# Altium PCB Main_Board.PcbDoc (part 3 of 19) (continued)
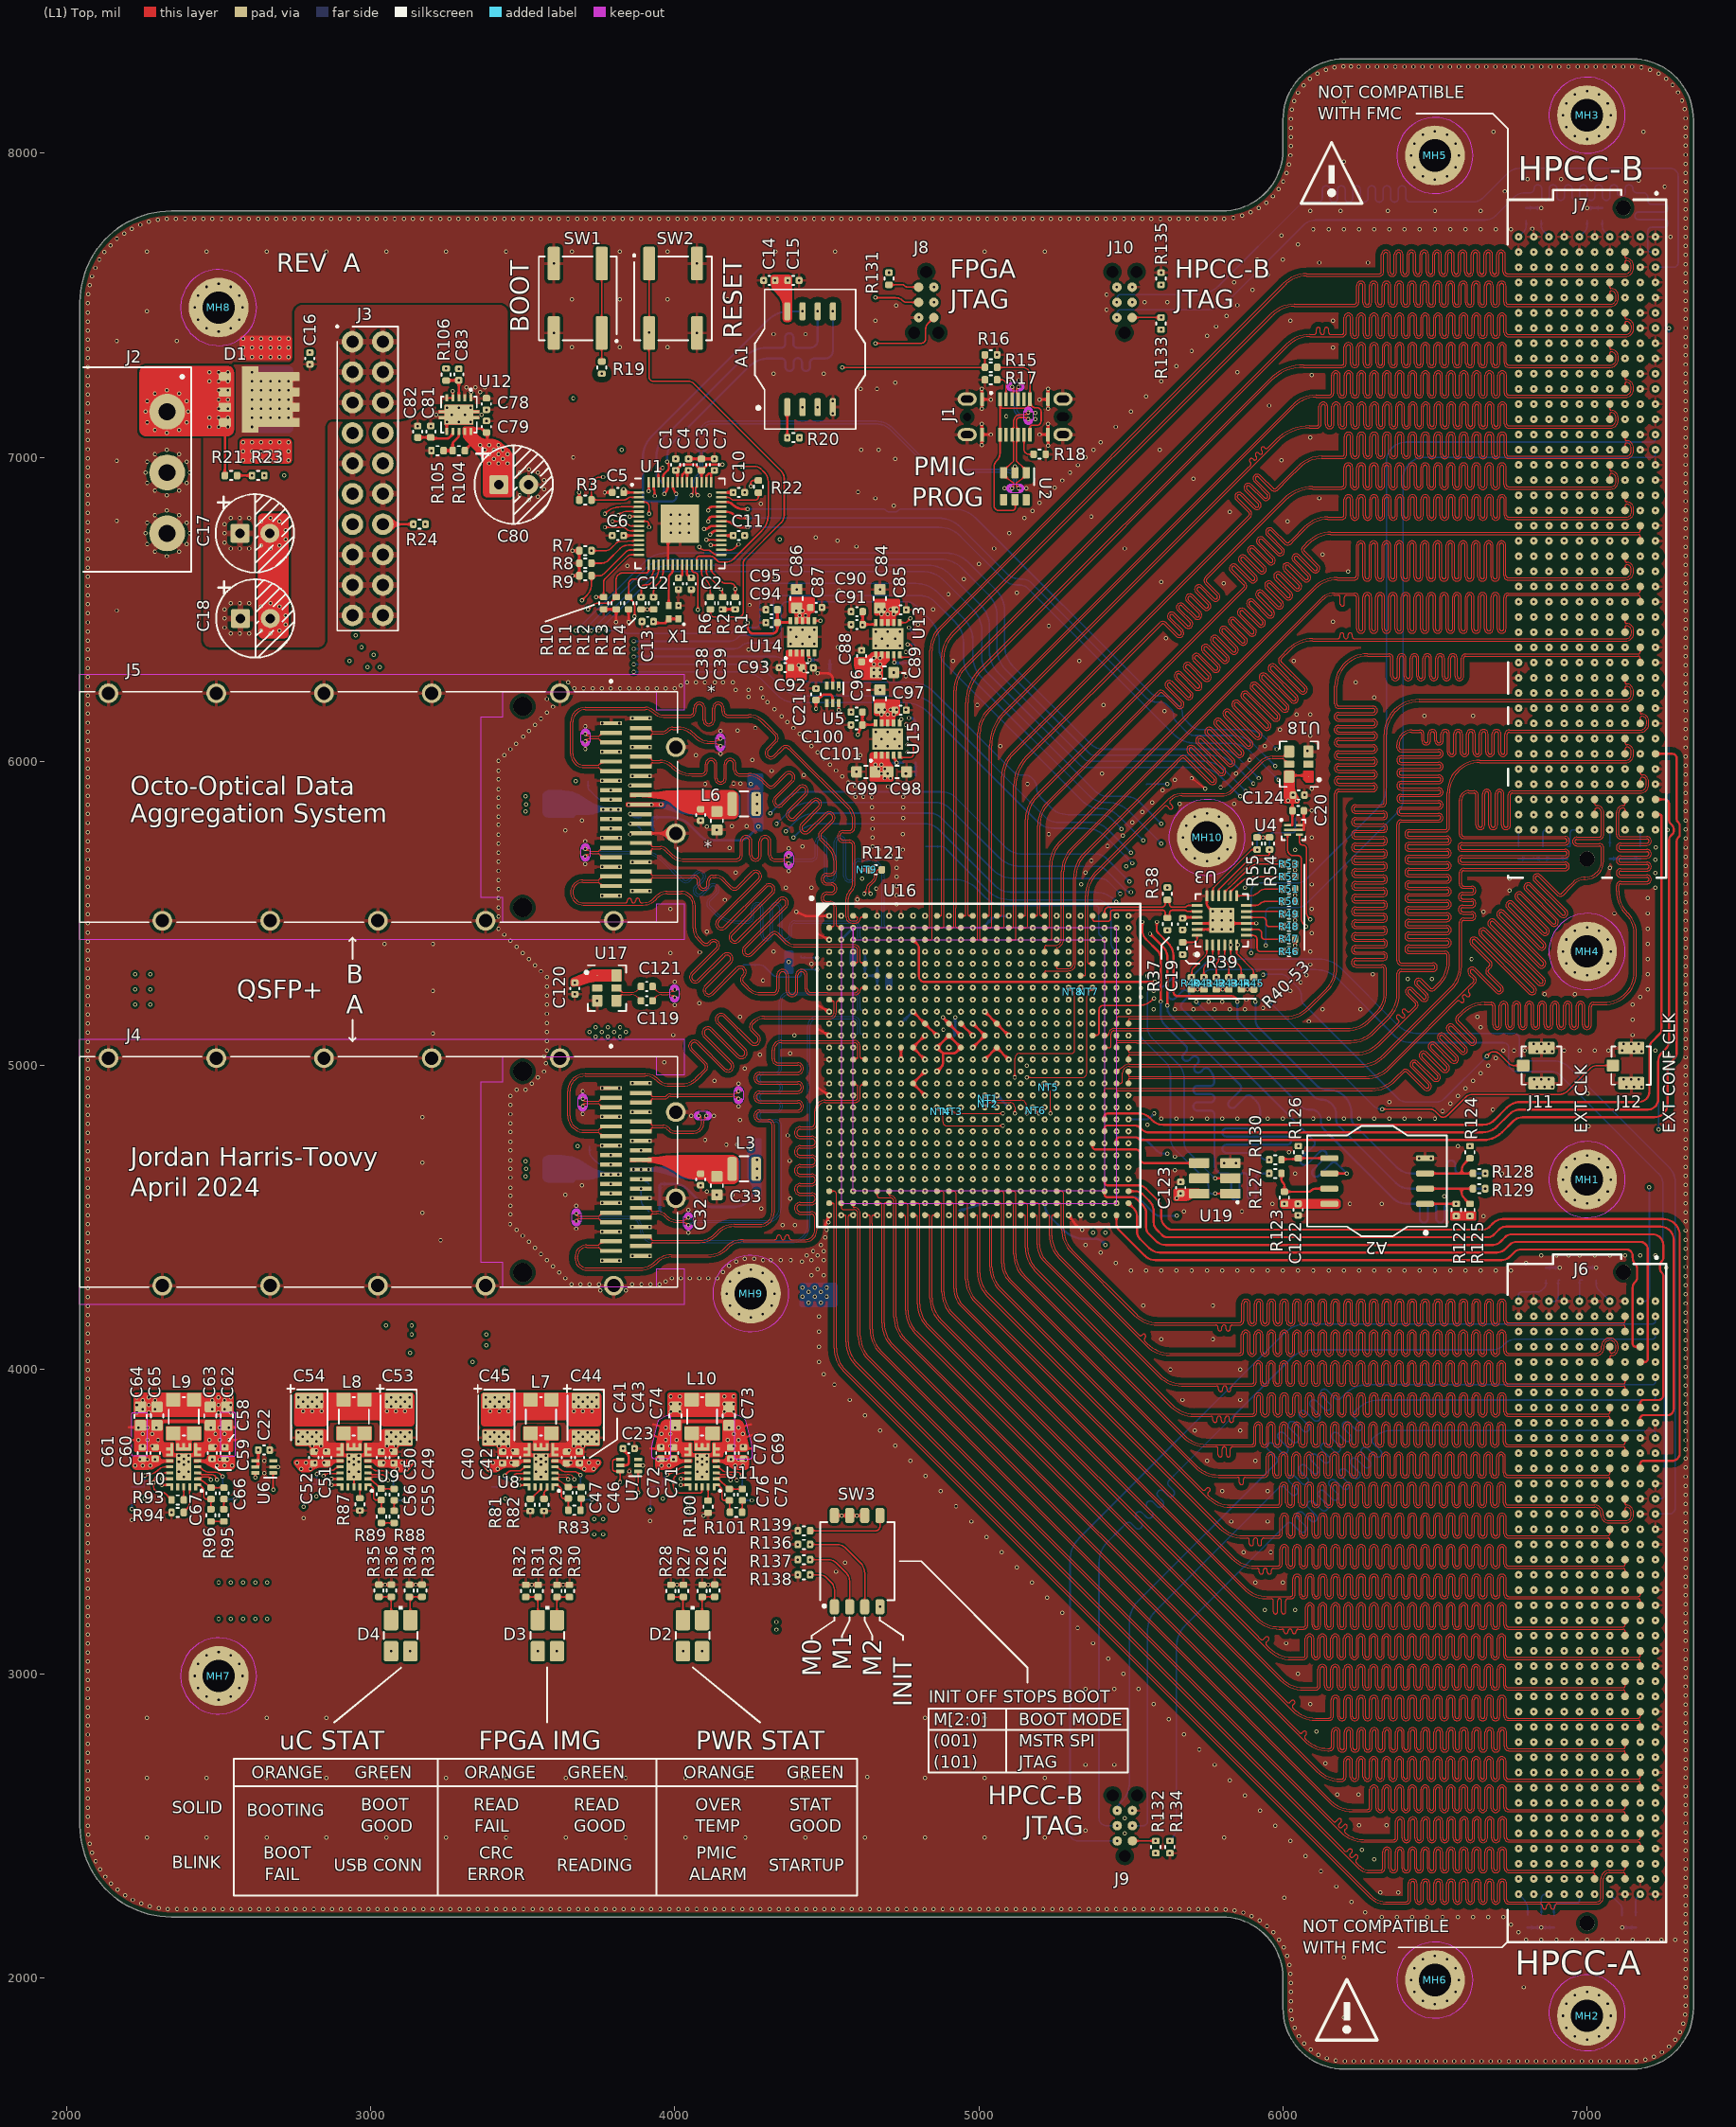
[diagram p0: (L1) Top view]
## Nets (pads, with @x,y where several pads share a name; then routed paths per layer and width w, separated by ;. In a path a pad name is that pad's centre, name@x,y a point inside that pad or via, vN(x,y) a via of type N, cw(c..) or ccw(c..) an arc to the next point about the centre after c; other vN are vias at no path point) (continued)
  (L3) Inner 2 w8: v1@3685,6885 cw(c3685,6884.08) v1(3685.92,6884.08)
  (L5) Inner 4 w8: 5870,6945 6095.71,7170.71 cw(c6166.42,7100) 6166.42,7200 7200,7200 ccw(c7200,7225) v1(7225,7225) ; 6505,3730 6520,3715 ccw(c6556.21,3751.21) 6556.21,3700 7200,3700 ccw(c7200,3725) v1(7225,3725)
  (L12) Bottom w8: v1(4770.08,6440) R107.2@4790,6420.08 ; v1@4770.59,6142.92 v1(4770.4,6142.72) 4777.41,6142.72 cw(c4777.41,6130.14) 4790,6130.14 R113.2@4790,6095.08
  other v1: 2500,3180 2540,3180 2580,3180 2620,3180 2660,3180 2500,3300 2540,3300 2580,3300 2620,3300 2660,3300 3735,3458 3765,3458 3735,3508 3765,3508 2256.62,3574.94 3442.4,3574.94 3960.28,3574.78 2821.49,3582.81 4152.88,6500.03 3180,6780 3390,6980 3420,6980 3450,6980 3405,6995 3435,6995 3390,7010 3420,7010 3450,7010 3405,7024 3434,7024 3375,7025 3360,7040 3390,7040 3420,7040 4410.08,7064.66 3665.87,7193.75 3247.92,7292.3 4330,7581.52 4371.1,7581.52
3V3AUX_PG: C83.2 R106.1 U1.3 U12.3 | length 1115.8
  (L1) Top w5: U1.3@3881.67,6852.87 3902.13,6852.87 cw(c3902.13,6840) 3915,6840 v1(3915,6815)
  (L1) Top w8: R106.1@3247.92,7252.14 3255.2,7253.13 3282.95,7253.13 v1(3289.64,7253.32) ; U12.3@3290,7195.12 C83.2@3290,7253
  (L3) Inner 2 w5: v1(3289.64,7253.32) 3726.68,7253.32 cw(c3726.68,7235) 3745,7235 3745,7056.42 ccw(c3845,7056.42) 3774.29,6985.71 3905,6855 cw(c3880.86,6830.86) 3915,6830.86 v1(3915,6815)
5V0: C16.2 C17.1 C18.1 C40.2 C41.2 C42.2 C43.2 C49.2 C50.2 C51.2 C52.2 C58.2 C59.2 C60.2 C61.2 C69.2 C70.2 C71.2 C72.2 C78.2 D1.5 D1.6 D1.7 D1.8 J3.1 J3.2 J3.3 J3.4 J3.5 J3.6 R93.2 TJ1.2 TJ2.2 U8.5 U8.9 U8.11 U9.5 U9.9 U9.11 U10.5 U10.9 U10.11 U11.5 U11.9 U11.11 U11.15 U12.1 U12.2 U12.4 U12.5 | length 519.5
  (L1) Top w4: 2307.96,3597.89 2303.22,3597.89 cw(c2303.22,3614.89) 2286.22,3614.89 v1(2286.22,3628.89) cw(c2313.58,3628.89) 2294.23,3648.24 cw(c2323.39,3619.09) 2323.32,3660.32 2328.93,3660.32 U10.11@2338.74,3660.32 ; 2307.99,3597.89 cw(c2307.99,3572.47) 2326.02,3590.39 R93.2@2345.14,3571.27 ; v1(2845.42,3650.82) cw(c2862.49,3633.75) 2862.49,3657.89 2888.93,3657.89 U9.11@2898.74,3660.32 ; U12.5@3250.63,7195.12 3250.75,7195 3270,7195 v1(3270,7217) ; v1(3464.29,3643.18) ccw(c3462.59,3644.89) 3465,3644.89 3475.88,3655.77 cw(c3481,3650.65) 3481,3657.89 3503.93,3657.89 U8.11@3513.74,3660.32 ; v1@3995.51,3630.89 3995.51,3635.4 cw(c4016,3635.4) 4001.51,3649.89 cw(c4026.68,3624.72) 4026.68,3660.32 U11.11@4043.74,3660.32 ; v1(3995.9,3630.48) 3995.51,3616 ccw(c3999.51,3615.89) 3995.51,3615.89 ccw(c4017.51,3615.89) 4017.51,3593.89 4082.51,3593.89 ccw(c4082.51,3600.89) 4089.51,3600.89 U11.15@4089.51,3614.89
  other v1: 2772,3673.89 2802,3673.89 3088,3673.89 3118,3673.89 3387,3673.89 3417,3673.89 3703,3673.89 3733,3673.89 2225.78,3683.89 2250.78,3683.89 2275.78,3683.89 2494.22,3683.89 2519.22,3683.89 2544.22,3683.89 3955.78,3683.89 3980.78,3683.89 4199.22,3683.89 4224.22,3683.89 2757,3693.89 2787,3693.89 2817,3693.89 2847,3693.89 3043,3693.89 3073,3693.89 3103,3693.89 3133,3693.89 3372,3693.89 3402,3693.89 3432,3693.89 3462,3693.89 3658,3693.89 3688,3693.89 3718,3693.89 3748,3693.89 2240.78,3703.89 2265.78,3703.89 2290.78,3703.89 2479.22,3703.89 2504.22,3703.89 2529.22,3703.89 3945.78,3703.89 3970.78,3703.89 3995.78,3703.89 4184.22,3703.89 4209.22,3703.89 4233.68,3703.87 2225,5200 2275,5200 2225,5250 2275,5250 2225,5300 2275,5300 2540,6420 2570,6420 2600,6420 2520,6440 2520,6470 2520,6500 2540,6520 2570,6520 2600,6520 2540,6700 2570,6700 2600,6700 2520,6720 2520,6750 2520,6780 2540,6800 2570,6800 2600,6800 2610,7100 2610,7130 2640,7130 2670,7130 2700,7130 2730,7130 2610,7160 2640,7160 2670,7160 2700,7160 2730,7160 2610,7190 2640,7190 2670,7190 2700,7190 2730,7190 3330,7215 3360,7215 2610,7220 2640,7220 2670,7220 2700,7220 2730,7220 3315,7230 3345,7230 3375,7230 2610,7250 2640,7250 2670,7250 2700,7250 2730,7250 2610,7280 2800,7305
5V0_UNPROT: D1.1 D1.2 D1.3 D1.4 J2.1 J3.10 R21.2 | length 729.5
  (L1) Top w8: D1.4@2520,7110 cw(c2518.86,7108.86) 2520.47,7108.86 R21.2@2520.47,6940
  (L3) Inner 2 w5: v1@2525,7100 2545,7080 ccw(c2557.07,7092.07) 2557.07,7075 2755,7075 cw(c2755,7026.72) 2789.14,7060.86 2810,7040 ccw(c2834.14,7064.14) 2834.14,7030 2980,7030 cw(c2980,7005.86) 2997.07,7022.93 J3.10@3040,6980
  other v1: 2330,7080 2290,7090 2370,7090 2470,7100 2500,7100 2530,7100 2265,7115 2395,7115 2470,7130 2500,7130 2530,7130 2260,7150 2400,7150 2500,7160 2530,7160 2265,7185 2395,7185 2500,7190 2530,7190 2290,7210 2370,7210 2330,7220 2500,7220 2530,7220 2470,7250 2500,7250 2530,7250 2470,7280 2500,7280 2530,7280
DCI_VRN: R119.1 U16.V13 | length 777.2
  (L10) Inner 9 w5: v1(4980.31,4822.83) 4993.17,4822.83 cw(c4993.17,4816) 5000,4816 5000,4811 ccw(c5008,4811) 5008,4803 5030,4803 cw(c5030,4793) 5040,4793 5040,4736 ccw(c5052,4736) 5052,4724 5338,4724 cw(c5338,4708) 5354,4708 5354,4484.1 ccw(c5365.1,4484.1) 5365.1,4473 5407,4473 cw(c5407,4464) 5416,4464 v1(5416,4450.08)
DCI_VRP: R120.2 U16.W13 | length 744.6
  (L10) Inner 9 w5: v1(4980.31,4783.46) 4990.54,4783.46 cw(c4990.54,4775) 4999,4775 4999,4700 ccw(c5014,4700) 5014,4685 5299,4685 cw(c5299,4669) 5315,4669 5315,4440.65 ccw(c5326.65,4440.65) 5326.65,4429 5366.23,4429 ccw(c5366.25,4437.79) 5375.04,4437.78 v1(5375,4450.08)
EEPROM_I2C_SCL: R49.1 U3.11 U4.4 | length 520.6
  (L1) Top w5: U3.11@5879.42,5506.69 5991.34,5506.69 v1(5999.92,5498.1) ; U4.4@6054.69,5759.25 6054.69,5735.31 ccw(c6065,5735.31) 6065,5725 cw(c6065,5712.34) 6077.66,5712.34 6077.66,5505 ccw(c6108.24,5505) 6086.62,5483.38 v1(6090,5480)
  (L3) Inner 2 w5: v1(5999.92,5498.1) 6071.9,5498.1 cw(c6071.9,5480) v1(6090,5480)
EEPROM_I2C_SDA: R48.1 U3.10 U4.3 | length 558.8
  (L1) Top w5: U3.10@5879.42,5487 5933,5487 cw(c5933,5475) 5945,5475 5945,5466.66 ccw(c5954.73,5466.66) 5954.73,5456.93 5999.92,5456.93 v1(5999.92,5457.07) ; U4.3@6015.31,5759.25 6015.31,5709.69 ccw(c6035,5709.69) 6035,5690 6050,5690 cw(c6050,5680) 6060,5680 6060,5485 ccw(c6091.56,5485) 6069.24,5462.68 v1(6075.29,5456.64) v1@6072.91,5456.64
  (L3) Inner 2 w5: v1(5999.92,5457.07) ccw(c6000.96,5458.11) 6000.96,5456.64 v1(6075.29,5456.64)
EXT_CLK_IN: J11.1 U16.G22 | length 1859.5
  (L1) Top w5: v1(5334.65,5255.91) U16.G22@5335,5255.91 ; v1(6671,5031) 6680,5040 cw(c6692.07,5027.93) 6692.07,5045 6695,5045 cw(c6695,5020.86) 6712.06,5037.94 6715,5035 6722.32,5027.68 6742.93,5007.07 ccw(c6760,5024.14) 6760,5000 J11.1@6789.96,5000
  (L3) Inner 2 w5: v1(5334.65,5255.91) v1@5335,5255.91 ; v1(5532.34,5255.18) 5532.34,5292.34 cw(c5555,5292.34) 5555,5315 5650,5315 cw(c5650,5300) 5665,5300 5665,5280 ccw(c5675,5280) 5675,5270 5925,5270 ccw(c5925,5280) 5935,5280 v1(5935,5298.56)
  (L8) Inner 7 w5: v1(5334.65,5255.91) 5334,5255.91 5334,5246 ccw(c5343,5246) 5343,5237 5506,5237 ccw(c5506,5256.7) 5519.93,5242.77 v1(5532.34,5255.18)
  (L12) Bottom w5: v1(5935,5298.56) 5936.44,5300 5995,5300 cw(c5995,5275.86) 6012.07,5292.93 6050,5255 cw(c6025.86,5230.86) 6060,5230.86 6060,5225 ccw(c6096.21,5225) 6070.61,5199.39 6110,5160 6377.89,4892.11 6377.93,4892.07 ccw(c6407.08,4921.23) 6407.08,4880 6505,4880 ccw(c6505,4916.21) 6530.61,4890.61 v1(6671,5031)
EXT_CONF_CLK_IN: J12.1 U16.B26 | length 2011.9
  (L1) Top w5: v1@6330,4855 ccw(c6326.14,4851.14) v1(6326.14,4856.6) 6484.07,4856.6 cw(c6484.07,4834.07) 6500,4850 6515.76,4834.24 ccw(c6526,4844.48) 6526,4830 ccw(c6526,4851.73) 6541.36,4836.36 6601.74,4896.74 cw(c6621.66,4876.84) 6621.66,4905 6908.94,4905 ccw(c6908.97,4943.7) 6936.35,4916.35 7009.72,4989.72 cw(c7034.51,4964.98) 7034.51,5000 ; 7034.55,5000 J12.1@7084.96,5000
  (L8) Inner 7 w5: v1(5492.13,5452.76) 5572.24,5452.76 cw(c5572.24,5435) 5590,5435 5590,5404.14 ccw(c5624.14,5404.14) 5600,5380 5629.1,5350.9 ccw(c5653,5374.8) 5653,5341 5936.48,5341 cw(c5936.48,5322.48) 5955,5322.48 v1(5955,5210)
  (L12) Bottom w5: v1(5955,5210) 6297.01,4867.99 ccw(c6324.51,4895.49) 6324.51,4856.6 v1(6326.14,4856.6)
EXT_I2C_SCL: R55.1 TP8.1 U3.17 | length 338.6
  (L1) Top w5: U3.17@5769.18,5557.87 ccw(c5767.2,5559.84) 5770,5559.84 5770,5580 cw(c5775.84,5580) 5771.71,5584.13 5895.87,5708.29 cw(c5900,5704.16) 5900,5710 5914.92,5710 v1(5915,5709.92)
  (L12) Bottom w5: v1(5915,5709.92) 5915,5754 cw(c5926,5754) 5926,5765 ccw(c5926,5774) 5935,5774 TP8.1@5935,5815
EXT_I2C_SDA: R54.1 TP7.1 U3.16 | length 430.2
  (L1) Top w5: U3.16@5788.87,5557.87 5788.87,5577.26 cw(c5792.74,5577.26) 5789.99,5579.99 5892.93,5682.93 cw(c5910,5665.86) 5910,5690 5949.31,5690 ccw(c5949.31,5696.46) 5955.77,5696.46 5955.77,5709.92 v1(5956.03,5709.92)
  (L12) Bottom w5: v1(5956.03,5709.92) 5956.03,5753.03 cw(c5968,5753.03) 5968,5765 6032,5765 ccw(c6032,5774) 6041,5774 TP7.1@6041,5814
FLASH_FPGA_C: A2.6 U16.C8 | length 2329.5
  (L1) Top w7: U16.C8@4783.46,5413.39 4797.09,5399.76 cw(c4782.81,5385.49) 4803,5385.49 4803,5293 ccw(c4821,5293) 4821,5275 v1(5580,5275) ; A2.6@6152.52,4645 v1(6210,4645)
  (L12) Bottom w7: v1(5580,5275) 5589.58,5265.42 5592.05,5262.95 ccw(c5601.6,5272.49) 5611.14,5262.95 5630.33,5282.13 cw(c5639.87,5272.58) 5649.42,5282.13 cw(c5639.87,5272.58) 5649.42,5263.04 5627.14,5240.76 ccw(c5636.69,5231.21) 5627.14,5221.67 ccw(c5636.69,5231.21) 5646.23,5221.67 5668.51,5243.95 cw(c5678.06,5234.4) 5687.6,5243.95 cw(c5678.06,5234.4) 5687.6,5224.85 5668.42,5205.67 ccw(c5677.97,5196.13) 5668.42,5186.58 5685.03,5169.97 5687.5,5167.5 6041.29,4813.71 6043.76,4811.24 6101.04,4753.96 cw(c6091.49,4744.41) 6101.04,4734.87 6061.48,4695.31 ccw(c6071.03,4685.77) 6061.48,4676.22 ccw(c6071.03,4685.77) 6080.58,4676.22 6120.77,4716.42 cw(c6130.32,4706.87) 6139.87,4716.42 cw(c6130.32,4706.87) 6139.87,4697.33 6099.67,4657.13 ccw(c6109.21,4647.58) 6099.67,4638.04 ccw(c6109.21,4647.58) 6118.76,4638.04 6158.31,4677.59 cw(c6167.86,4668.05) 6177.41,4677.59 6198.77,4656.23 6201.25,4653.75 v1(6210,4645)
FLASH_FPGA_DQ0: R130.1 U16.B24 | length 1852
  (L1) Top w7: v1(5563,5433) 5605.3,5390.7 5605.35,5390.65 cw(c5569.99,5355.28) 5620,5355.31 5620,5355.25 v1(5620,5197.73)
  (L8) Inner 7 w5: v1(5413.39,5452.76) 5424.05,5442.09 ccw(c5446,5464.04) 5446,5433 v1(5563,5433)
  (L12) Bottom w7: v1(5620,5197.73) 5620,5189.14 ccw(c5654.14,5189.14) 5630,5165 5833,4962 5835.47,4959.53 5858.46,4936.54 cw(c5848.91,4927) 5858.46,4917.45 5824.11,4883.1 ccw(c5833.65,4873.56) 5824.11,4864.01 ccw(c5833.65,4873.56) 5843.2,4864.01 5877.55,4898.36 cw(c5887.1,4888.81) 5896.64,4898.36 5899.12,4895.88 5910.86,4884.14 cw(c5876.72,4850) 5925,4850 5925,4835.54 5925,4806.88 cw(c5911.5,4806.88) 5911.5,4793.38 5814.01,4793.38 ccw(c5814.01,4779.88) 5814.01,4766.38 6014.07,4766.38 cw(c6014.07,4752.88) 6014.07,4739.38 5814.01,4739.38 ccw(c5814.01,4725.88) 5814.01,4712.38 5914.27,4712.38 cw(c5914.27,4698.88) 5927.19,4702.8 5928.38,4698.88 ccw(c5945.01,4710.01) 5931.36,4695.38 ccw(c5945.01,4710.01) 5945.01,4690 v1(5954.92,4690)
FLASH_FPGA_DQ1: R129.1 U16.A25 | length 1780.3
  (L1) Top w7: v1(5585,5472) 5585,5447.07 ccw(c5602.07,5447.07) 5590,5435 5622.32,5402.68 cw(c5579.64,5360) 5640,5360 5640,5242 ccw(c5654,5242) 5654,5228 5832,5228 cw(c5832,5210) v1(5850,5210)
  (L8) Inner 7 w5: v1(5452.76,5492.13) cw(c5475.63,5492.13) 5475.63,5515 5565.91,5515 cw(c5565.91,5495.91) 5585,5495.91 v1(5585,5472)
  (L12) Bottom w7: v1(5850,5210) 5850,5164.14 ccw(c5884.14,5164.14) 5860,5140 6102.32,4897.68 ccw(c6126.05,4921.41) 6126.01,4887.85 cw(c6126.05,4838.9) 6175,4838.9 6175,4824.14 ccw(c6209.14,4824.14) 6185,4800 6371.45,4613.55 ccw(c6416.11,4658.04) 6416.25,4595 v1(6665.08,4595)
FLASH_FPGA_DQ2: R128.1 U16.B22 | length 1826.3
  (L8) Inner 7 w5: v1(5334.65,5452.76) 5347.2,5440.2 ccw(c5367,5460) 5367,5432 5382,5432 cw(c5382,5421) 5393,5421 5393,5405 ccw(c5405,5405) 5405,5393 5518.62,5393 cw(c5518.62,5348.62) 5550,5380 5642.32,5287.68 ccw(c5685,5330.36) 5685,5270 5890,5270 cw(c5890,5250) 5910,5250 v1(5910,5210)
  (L12) Bottom w7: v1(5910,5210) 5910,5149.14 ccw(c5944.14,5149.14) 5920,5125 6110.86,4934.14 ccw(c6145,4968.28) 6145,4920 6150.35,4920 cw(c6150.35,4845.35) 6225,4845.35 6225,4829.14 ccw(c6259.14,4829.14) 6235,4805 6374.84,4665.16 ; v1(6665.08,4645) 6611,4645 6580.5,4645 cw(c6580.5,4658.5) 6567,4658.5 6567,4674.11 ccw(c6553.5,4674.11) 6540,4674.11 6540,4658.5 cw(c6526.5,4658.5) 6526.5,4645 6484.21,4645 6423.52,4645 6423.46,4645 cw(c6423.46,4713.72) 6374.87,4665.13 ; 6374.84,4665.16 6374.87,4665.13
FLASH_FPGA_DQ3: R127.1 U16.A22 | length 1938
  (L1) Top w7: v1(5538,5472) 5538,5443.97 ccw(c5578.97,5443.97) 5550,5415 5587.89,5377.11 5587.93,5377.07 cw(c5562.78,5351.93) 5598.34,5351.93 v1(5598.34,5210.34)
  (L8) Inner 7 w5: v1(5334.65,5492.13) 5401.55,5492.13 cw(c5401.55,5457.55) 5426,5482 ccw(c5450.14,5506.14) 5450.14,5472 v1(5538,5472)
  (L10) Inner 9 w5: v1(5538,5472) cw(c5538,5470) v1@5540,5470
  (L12) Bottom w7: 5598.34,5166.09 ccw(c5645.26,5166.09) 5612.09,5132.91 5667.73,5077.26 5670.21,5074.79 5680.91,5064.09 cw(c5671.36,5054.55) 5680.91,5045 5673.58,5037.67 ccw(c5683.13,5028.13) 5673.58,5018.58 ccw(c5683.13,5028.13) 5692.67,5018.58 5700.11,5026.02 cw(c5709.66,5016.48) 5719.21,5026.02 cw(c5709.66,5016.48) 5719.21,5006.93 5711.76,4999.49 ccw(c5721.31,4989.94) 5711.76,4980.4 ccw(c5721.31,4989.94) 5730.86,4980.4 5738.14,4987.69 cw(c5747.69,4978.14) 5753.73,4990.21 5755.84,4989.16 5761.63,4982.53 cw(c5709.59,4942.91) 5763.7,4979.65 cw(c5709.59,4942.91) 5770.95,4965.57 cw(c5709.59,4942.91) 5772.13,4962.07 5774.19,4948.3 cw(c5760.84,4946.3) 5760.84,4932.8 5718.78,4932.8 ccw(c5718.78,4919.3) 5718.78,4905.8 5761.86,4905.8 cw(c5761.86,4892.3) 5761.86,4878.8 5718.78,4878.8 ccw(c5718.78,4865.3) 5718.78,4851.8 5761.5,4851.8 cw(c5761.5,4838.3) 5775,4838.3 5775,4834.8 5775,4670 ccw(c5800,4670) 5781.57,4653.11 ccw(c5800,4670) 5790.21,4647 ccw(c5800,4670) 5793.71,4645.8 5800,4645 5816.5,4645 cw(c5816.5,4631.5) 5830,4631.5 5830,4571.68 ccw(c5843.5,4571.68) 5857,4571.68 5857,4633.03 cw(c5870.5,4633.03) 5884,4633.03 5884,4571.68 ccw(c5897.5,4571.68) 5911,4571.68 5911,4631.5 cw(c5924.5,4631.5) 5924.5,4645 5928,4645 v1(5954.92,4645) ; 5598.34,5166.13 v1(5598.34,5210.34)
FLASH_FPGA_S\: A2.1 R122.1 U16.C23 | length 1929.2
  (L1) Top w7: A2.1@6467.48,4545 A2.1@6467.48,4545 6569.96,4545.04 v1(6570,4545.08)
  (L8) Inner 7 w5: v1(5374.02,5413.39) 5365,5405 5359.66,5399.66 ccw(c5373.31,5386) 5354,5386 5354,5368 ccw(c5368,5368) 5367.79,5354 5520.36,5354 cw(c5520.36,5330.69) 5536.84,5347.17 5666.25,5217.77 ccw(c5685,5236.52) 5685,5210 v1(5715,5210)
  (L12) Bottom w7: v1(5715,5210) 6059.39,4865.61 ccw(c6085,4891.21) 6085,4855 6091.82,4855 cw(c6091.82,4821.82) 6125,4821.82 6125,4814.14 ccw(c6159.14,4814.14) 6135,4790 6139.14,4785.86 6359.83,4565.17 ; v1(6570,4545.08) 6565.71,4545.08 6544.5,4545.08 ccw(c6544.5,4531.58) 6531,4531.58 6531,4497.01 cw(c6517.5,4497.01) 6504,4497.01 6504,4533.96 ccw(c6490.5,4533.96) 6477,4533.96 6477,4497.01 cw(c6463.5,4497.01) 6450,4497.01 6450,4531.58 ccw(c6436.5,4531.58) 6436.5,4545.08 6408.31,4545.08 cw(c6408.28,4613.53) 6406,4545.12 cw(c6408.28,4613.53) 6359.87,4565.13 ; 6359.83,4565.17 6359.87,4565.13
FPGA_CK200_N: U16.E23 U18.5 | length 1139.2
  (L1) Top w3.5: U16.E23@5374.02,5334.65 5374.02,5335 5362,5335 cw(c5362,5339) 5358,5339 5358,5558.58 cw(c5458,5558.58) 5387.29,5629.29 5599.01,5841.01 5609.79,5851.79 cw(c5614.56,5847.02) 5619.33,5851.79 5626.51,5844.61 ccw(c5631.29,5849.38) 5636.06,5844.61 ccw(c5631.29,5849.38) 5636.06,5854.16 5628.97,5861.24 cw(c5633.74,5866.02) 5629.39,5871.17 5635.24,5876.12 cw(c5668.2,5829.8) 5636.7,5877.13 cw(c5668.2,5829.8) 5668.2,5886.65 5800.07,5886.65 ccw(c5800.07,5938.74) 5836.91,5901.91 5929,5994 cw(c5966.05,5956.95) 5966.05,6009.35 5992.84,6009.35 5998.92,6009.39 ; 5998.94,6009.39 cw(c5998.91,6005.89) 6001.86,6007.78 6002.11,6007.39 6004.13,6004.45 U18.5@6018.5,5995
FPGA_CK200_P: U16.F22 U18.4 | length 1158.4
  (L1) Top w3.5: U16.F22@5334.65,5295.28 5334.65,5295 5346,5295 ccw(c5346,5299.65) 5350.65,5299.65 5350.65,5558.61 cw(c5457.92,5558.61) 5382.07,5634.46 5622.88,5875.28 cw(c5668.08,5830.08) 5668.08,5894 5800,5894 ccw(c5800,5938.92) 5831.76,5907.16 5923.83,5999.22 cw(c5966.02,5957.03) 5966.02,6016.7 5992.78,6016.7 5998.86,6016.74 ccw(c5998.81,6020.24) 5999.22,6016.77 6000.77,6016.95 6005.12,6020 U18.4@6018.5,6036.34
FPGA_CONF_M0: R138.2 SW3.1 U16.T5 | length 2089.1
  (L1) Top w4: R138.2@4445.08,3325 4475,3325 cw(c4475,3288.79) 4500.61,3314.39 4514.39,3300.61 cw(c4488.79,3275) 4525,3275 SW3.1@4525,3220
  (L3) Inner 2 w5: v1(4445,3325) 4445,3340 ccw(c4435,3340) 4435,3350 4375,3350 cw(c4375,3370) 4355,3370 4355,3500.86 cw(c4389.14,3500.86) 4365,3525 ccw(c4325.39,3564.61) 4381.41,3564.61 4381.41,4292.46 ccw(c4342.46,4292.46) 4370,4320 cw(c4382.07,4332.07) 4365,4332.07 4365,4353.58 cw(c4465,4353.58) 4394.29,4424.29 4449.39,4479.39 ccw(c4423.79,4505) 4460,4505 4460,4900 cw(c4480,4900) 4480,4920 4655,4920 cw(c4655,4909.65) 4665.35,4909.65 v1(4665.35,4901.57)
FPGA_CONF_M1: R137.2 SW3.2 U16.T2 | length 1926.5
  (L1) Top w4: R137.2@4445.08,3375 4505.86,3375 cw(c4505.86,3340.86) 4530,3365 4564.39,3330.61 cw(c4538.79,3305) 4575,3305 SW3.2@4575,3220
  (L3) Inner 2 w5: v1(4445,3375) 4445,3390 ccw(c4435,3390) 4435,3400 4400,3400 cw(c4400,3425) 4375,3425 4375,3495 cw(c4399.14,3495) 4382.07,3512.07 4390,3520 ccw(c4367.09,3542.91) 4399.49,3542.91 4399.49,4354.86 cw(c4446.89,4354.86) 4413.37,4388.37 4460.01,4435.01 ccw(c4423.79,4471.21) 4475,4471.21 4475,4865 cw(c4490,4865) 4490,4880 4535,4880 ccw(c4535,4892.24) 4547.24,4892.24 v1(4547.24,4901.57)
FPGA_CONF_M2: R136.2 SW3.3 U16.P5 | length 2543.3
  (L1) Top w4: R136.2@4445.08,3425 4535.86,3425 cw(c4535.86,3390.86) 4560,3415 4610.86,3364.14 cw(c4576.72,3330) 4625,3330 4625,3220.95 cw(c4623.66,3220.95) SW3.3@4624.61,3220
  (L3) Inner 2 w5: v1(4445,3425) 4460,3425 cw(c4460,3415) 4470,3415 4470,3315 cw(c4460,3315) 4460,3305 4350,3305 cw(c4350,3320) 4335,3320 4335,3510 cw(c4371.21,3510) 4345.61,3535.61 4350,3540 ccw(c4313.79,3576.21) 4365,3576.21 4365,4276.72 ccw(c4296.72,4276.72) 4345,4325 cw(c4375.68,4355.68) 4332.29,4355.68 4332.29,4368.46 cw(c4413.97,4368.46) 4356.21,4426.21 4365,4435 ccw(c4340.86,4459.14) 4375,4459.14 4375,4475 cw(c4411.21,4475) 4385.61,4500.61 4434.39,4549.39 ccw(c4408.79,4575) 4445,4575 4445,4945 cw(c4460,4945) 4460,4960 4655,4960 ccw(c4655,4970.35) 4665.35,4970.35 v1(4665.35,4980.31)
FPGA_CONFDONE: U1.30 U16.J7 | length 1870.9
  (L1) Top w5: U1.30@4152.33,6695.39 ccw(c4153.27,6696.32) 4153.27,6695 4180,6695 ccw(c4180,6721.64) 4198.84,6702.8 v1(4210,6713.96)
  (L3) Inner 2 w5: v1(4300,6325) 4300,6320 ccw(c4360.36,6320) 4317.68,6277.32 4675,5920 cw(c4643.62,5888.62) 4688,5888.62 4688,5697 ccw(c4719.38,5697) 4697.19,5674.81 4700,5672 cw(c4678.27,5650.27) 4709,5650.27 4709,5528.31 ccw(c4736.31,5528.31) 4717,5509 cw(c4700.1,5492.1) 4724,5492.1 4724,5408 ccw(c4739,5408) 4739,5393 4749,5393 cw(c4749,5377) 4765,5377 4765,5190 cw(c4752.17,5190) 4752.17,5177.17 v1(4744.09,5177.17)
  (L10) Inner 9 w5: v1(4210,6713.96) 4210,6715 4240,6715 cw(c4240,6675) 4280,6675 4280,6439.14 ccw(c4314.14,6439.14) 4290,6415 cw(c4265.86,6390.86) 4300,6390.86 v1(4300,6325)
FPGA_INIT/CRCERR: R117.1 SW3.4 U1.31 U16.G7 | length 4269.4
  (L1) Top w4: v1(4117.96,6711.13) U1.31@4152.33,6711.13
  (L3) Inner 2 w4: v1@4116.46,6710.51 cw(c4117.96,6709.02) v1(4117.96,6711.13) ; v1(4468,5355) 4711,5355 cw(c4711,5341) 4725,5341 4725,5265 ccw(c4734,5265) 4734,5256 v1@4744.09,5256
  (L8) Inner 7 w4: v1(4117.96,6711.13) ccw(c4119.09,6711.13) 4119.09,6710 4160,6710 cw(c4160,6695.3) 4174.7,6695.3 4174.7,6111.72 ccw(c4274.7,6111.72) 4203.99,6041.01 4230,6015 cw(c4217.93,6002.93) 4235,6002.93 4235,6000 ccw(c4247.07,6000) 4238.54,5991.46 4245,5985 ccw(c4257.07,5997.07) 4257.07,5980 4260,5980 cw(c4260,5955.86) 4277.07,5972.93 4450,5800 cw(c4406.54,5756.54) 4468,5756.54 v1(4468,5355) 4468,5344 ccw(c4481.25,5344) 4471.88,5334.63 4480.79,5325.72 cw(c4469,5315) 4484.93,5315.45 4485,5313.04 cw(c4481,5312.93) 4485,5312.93 4485,5310 cw(c4472.93,5310) 4481.46,5301.46 4480,5300 ccw(c4492.07,5287.93) 4475,5287.93 4475,4471.21 cw(c4423.79,4471.21) 4460.01,4435.01 4414.14,4389.14 ccw(c4448.28,4355) 4400,4355 4400,3570 ccw(c4448.28,3570) 4414.14,3535.86 4664.39,3285.61 cw(c4638.79,3260) 4675,3260 v1(4675,3220) ; v1(4744.09,5255.91) v1@4744.09,5256
  (L12) Bottom w4: R117.1@4415,5360 4415,5355 v1(4468,5355)
FPGA_JTAG_TCK: J8.4 U16.L8 | length 3176.9
  (L8) Inner 7 w5: v1(4783.46,5098.43) 4771.57,5098.43 cw(c4771.57,5105) 4765,5105 4765,5499.51 ccw(c4746.93,5499.51) 4759.71,5512.29 4756.07,5515.93 cw(c4765.9,5525.76) 4752,5525.76 4752,5670.45 ccw(c4719.28,5670.45) 4742.42,5693.58 4736.24,5699.76 cw(c4746.49,5710) 4732,5710 4732,5948.27 ccw(c4686.79,5948.27) 4718.76,5980.24 4676.19,6022.81 ccw(c4654,6000.61) 4654,6032 4650.97,6032 cw(c4650.97,6072.97) 4622,6044 4579.8,6086.2 cw(c4627.6,6134) 4560,6134 4560,6593.58 cw(c4660,6593.58) 4589.29,6664.29 4715.71,6790.71 ccw(c4645,6861.42) 4745,6861.42 4745,6952.24 4745,6979.74 cw(c4757.5,6979.74) 4757.5,6992.24 4792.71,6992.24 ccw(c4792.71,7004.74) 4792.71,7017.24 4757.1,7017.24 cw(c4757.1,7029.74) 4757.1,7042.24 4792.71,7042.24 ccw(c4792.71,7054.74) 4792.71,7067.24 4757.1,7067.24 cw(c4757.1,7079.74) 4757.1,7092.24 4792.71,7092.24 ccw(c4792.71,7104.74) 4792.71,7117.24 4757.1,7117.24 cw(c4757.1,7129.74) 4757.1,7142.24 4792.71,7142.24 ccw(c4792.71,7154.74) 4792.71,7167.24 4757.1,7167.24 cw(c4757.1,7179.74) 4757.1,7192.24 4792.71,7192.24 ccw(c4792.71,7204.74) 4792.71,7217.24 4757.5,7217.24 cw(c4757.5,7229.74) 4745,7229.74 4745,7289.01 4745,7460 cw(c4770,7460) 4770,7485 4840,7485 ccw(c4840,7497.21) 4852.21,7497.21 v1@4852.21,7509.53
  other v1: 4852.08,7509.66
FPGA_JTAG_TDI: J8.3 U16.R6 | length 3217.2
  (L1) Top w5: v1(4660,7525) 4725.86,7525 cw(c4725.86,7490.86) 4750,7515 ccw(c4762.89,7527.89) 4762.89,7509.66 J8.3@4802.08,7509.66
  (L8) Inner 7 w5: v1(4660,7525) 4610,7525 ccw(c4610,7505) 4590,7505 4590,6936.42 cw(c4490,6936.42) 4560.71,6865.71 4235,6540 ccw(c4271.21,6503.79) 4220,6503.79 4220,6145.21 ccw(c4268.79,6145.21) 4234.29,6110.71 4495.71,5849.29 cw(c4425,5778.58) 4525,5778.58 4525,5589.14 ccw(c4619.5,5589.14) 4552.68,5522.32 4599.22,5475.78 cw(c4582.15,5458.71) 4606.29,5458.71 4606.29,4933.71 ccw(c4620,4933.71) 4620,4920 4695,4920 ccw(c4695,4929.72) 4704.72,4929.72 v1(4704.72,4940.94)
FPGA_JTAG_TDO: J8.6 U16.R7 | length 3261.3
  (L1) Top w5: v1(4660,7375) 4810,7375 ccw(c4810,7390) 4825,7390 4825,7420 cw(c4855.38,7420) 4833.89,7441.48 J8.6@4852.08,7459.66
  (L8) Inner 7 w5: v1(4660,7375) 4650,7375 ccw(c4650,7360) 4635,7360 4635,6916.42 cw(c4535,6916.42) 4605.71,6845.71 4280,6520 ccw(c4316.21,6483.79) 4265,6483.79 4265,6155.61 ccw(c4290.61,6155.61) 4272.5,6137.5 4308.5,6101.5 4310.27,6099.73 ccw(c4319.11,6108.57) 4327.95,6099.73 4338.1,6109.88 cw(c4346.94,6101.05) 4355.78,6109.88 cw(c4346.94,6101.05) 4355.78,6092.21 4345.44,6081.87 ccw(c4354.28,6073.03) 4345.44,6064.19 ccw(c4354.28,6073.03) 4363.12,6064.19 4373.45,6074.53 cw(c4382.29,6065.69) 4391.13,6074.53 cw(c4382.29,6065.69) 4391.13,6056.85 4380.8,6046.52 ccw(c4389.63,6037.68) 4380.8,6028.84 ccw(c4389.63,6037.68) 4398.47,6028.84 4408.81,6039.17 cw(c4417.65,6030.33) 4426.49,6039.17 cw(c4417.65,6030.33) 4426.49,6021.5 4416.33,6011.34 ccw(c4425.17,6002.5) 4416.33,5993.67 4431.73,5978.27 4433.5,5976.5 4535.71,5874.29 cw(c4465,5803.58) 4565,5803.58 4565,5580 ccw(c4625.36,5580) 4582.68,5537.32 4632.51,5487.49 cw(c4599.87,5454.85) 4646.03,5454.85 4646.03,4973.97 ccw(c4660,4973.97) 4660,4960 4735,4960 cw(c4735,4950.91) 4744.09,4950.91 v1(4744.09,4940.94)
FPGA_JTAG_TMS: J8.2 U16.N8 | length 3261.4
  (L8) Inner 7 w5: v1(4783.46,5019.69) 4771.31,5019.69 cw(c4771.31,5028) 4763,5028 4763,5031 ccw(c4754,5031) 4754,5040 4736,5040 cw(c4736,5052) 4724,5052 4724,5493.93 ccw(c4706.93,5493.93) 4719,5506 4716.07,5508.93 cw(c4733.14,5526) 4709,5526 4709,5653.1 ccw(c4685.1,5653.1) 4702,5670 4696.78,5675.22 cw(c4715.56,5694) 4689,5694 4689,5876.89 ccw(c4637.89,5876.89) 4674.03,5913.03 4534.76,6052.3 cw(c4582.45,6100) 4515,6100 4515,6112.87 4515,6115.37 ccw(c4502.5,6115.37) 4502.5,6127.87 4462.92,6127.87 cw(c4462.92,6140.37) 4462.92,6152.87 4502.5,6152.87 ccw(c4502.5,6165.37) 4515,6165.37 4515,6193 4515,6511.44 4515,6513.94 ccw(c4502.5,6513.94) 4502.5,6526.44 4475.83,6526.44 cw(c4475.83,6538.94) 4475.83,6551.44 4504.4,6551.44 ccw(c4504.4,6563.94) 4504.4,6576.44 4475.83,6576.44 cw(c4475.83,6588.94) 4475.83,6601.44 4502.94,6601.44 ccw(c4502.94,6613.94) 4515.39,6612.81 4516.65,6626.67 cw(c4615,6608.58) 4517.14,6629.17 cw(c4615,6608.58) 4544.29,6679.29 4565,6700 4566.77,6701.77 ccw(c4557.93,6710.61) 4566.77,6719.45 4564.26,6721.95 cw(c4573.1,6730.79) 4564.26,6739.63 cw(c4573.1,6730.79) 4581.94,6739.63 4586.71,6734.86 ccw(c4595.55,6743.7) 4604.39,6734.86 ccw(c4595.55,6743.7) 4604.39,6752.54 4599.62,6757.31 cw(c4608.46,6766.14) 4599.62,6774.98 cw(c4608.46,6766.14) 4617.3,6774.98 4622.07,6770.21 ccw(c4630.9,6779.05) 4639.74,6770.21 ccw(c4630.9,6779.05) 4639.74,6787.89 4634.97,6792.66 cw(c4643.81,6801.5) 4634.97,6810.34 cw(c4643.81,6801.5) 4652.65,6810.34 4655.16,6807.83 ccw(c4664,6816.67) 4672.83,6807.83 4675.71,6810.71 4687.11,6824.35 ccw(c4605,6881.42) 4688.54,6826.46 ccw(c4605,6881.42) 4705,6881.42 4705,7510 cw(c4730,7510) 4730,7535 4841,7535 ccw(c4841,7546) 4852,7546 4852,7559.66 v1(4852.08,7559.66)
FPGA_R\E\S\E\T\: R118.1 TP11.1 U1.32 U16.P6 | length 2527.3
  (L1) Top w4: v1(4103.86,6728.11) 4149.36,6728.11 cw(c4149.36,6723.91) U1.32@4152.33,6726.88
  (L3) Inner 2 w4: v1(4468.99,5314.99) 4483.87,5315 ; 4483.88,5315 4670,5315 cw(c4670,5300) 4685,5300 4685,4989 ccw(c4694,4989) 4694,4980 v1@4704.72,4980
  (L8) Inner 7 w4: v1(4103.86,6728.11) ccw(c4113.19,6718.78) 4100,6718.78 4100,6705 ccw(c4112.07,6705) 4103.54,6696.46 4110,6690 cw(c4097.93,6677.93) 4115,6677.93 4115,6655.86 4115,6010 ccw(c4135,6010) 4135,5990 4173.79,5990 cw(c4173.79,5938.79) 4209.99,5975.01 4222.93,5962.07 ccw(c4240,5979.14) 4240,5955 cw(c4240,5918.79) 4265.61,5944.39 4300,5910 cw(c4287.93,5897.93) 4305,5897.93 4305,5875 ccw(c4329.14,5875) 4312.07,5857.93 4435,5735 cw(c4422.93,5722.93) 4440,5722.93 4440,5715 cw(c4427.93,5715) 4436.46,5706.46 4435,5705 ccw(c4447.07,5692.93) 4430,5692.93 4430,5330 ccw(c4445.01,5330) 4445.01,5314.99 v1(4468.99,5314.99) ; v1@4704.72,4980 v1(4704.72,4980.31)
  (L12) Bottom w4: TP11.1@4225,5330 cw(c4227.41,5327.59) 4227.41,5331 4275,5331 cw(c4275,5297.2) 4298.9,5321.1 4320,5300 ccw(c4344.14,5324.14) 4344.14,5290 4405,5290 ccw(c4405,5300.08) 4415.08,5300.08 R118.1@4415.08,5315 ; R118.1@4415.08,5318.97 R118.1@4415.08,5315 ; v1(4468.99,5314.99) 4454.1,5315 R118.1@4415.08,5315